# Altium PCB A8_multiple.PcbDoc (part 2 of 10)
Units mm, origin at the board's own origin, x right, y up, seen from the top; angles counter-clockwise.
Board outline 140 x 140 mm, 2 copper layers (Top Layer, Bottom Layer); 80 components, 0 nets, 928 pads, 160 vias.
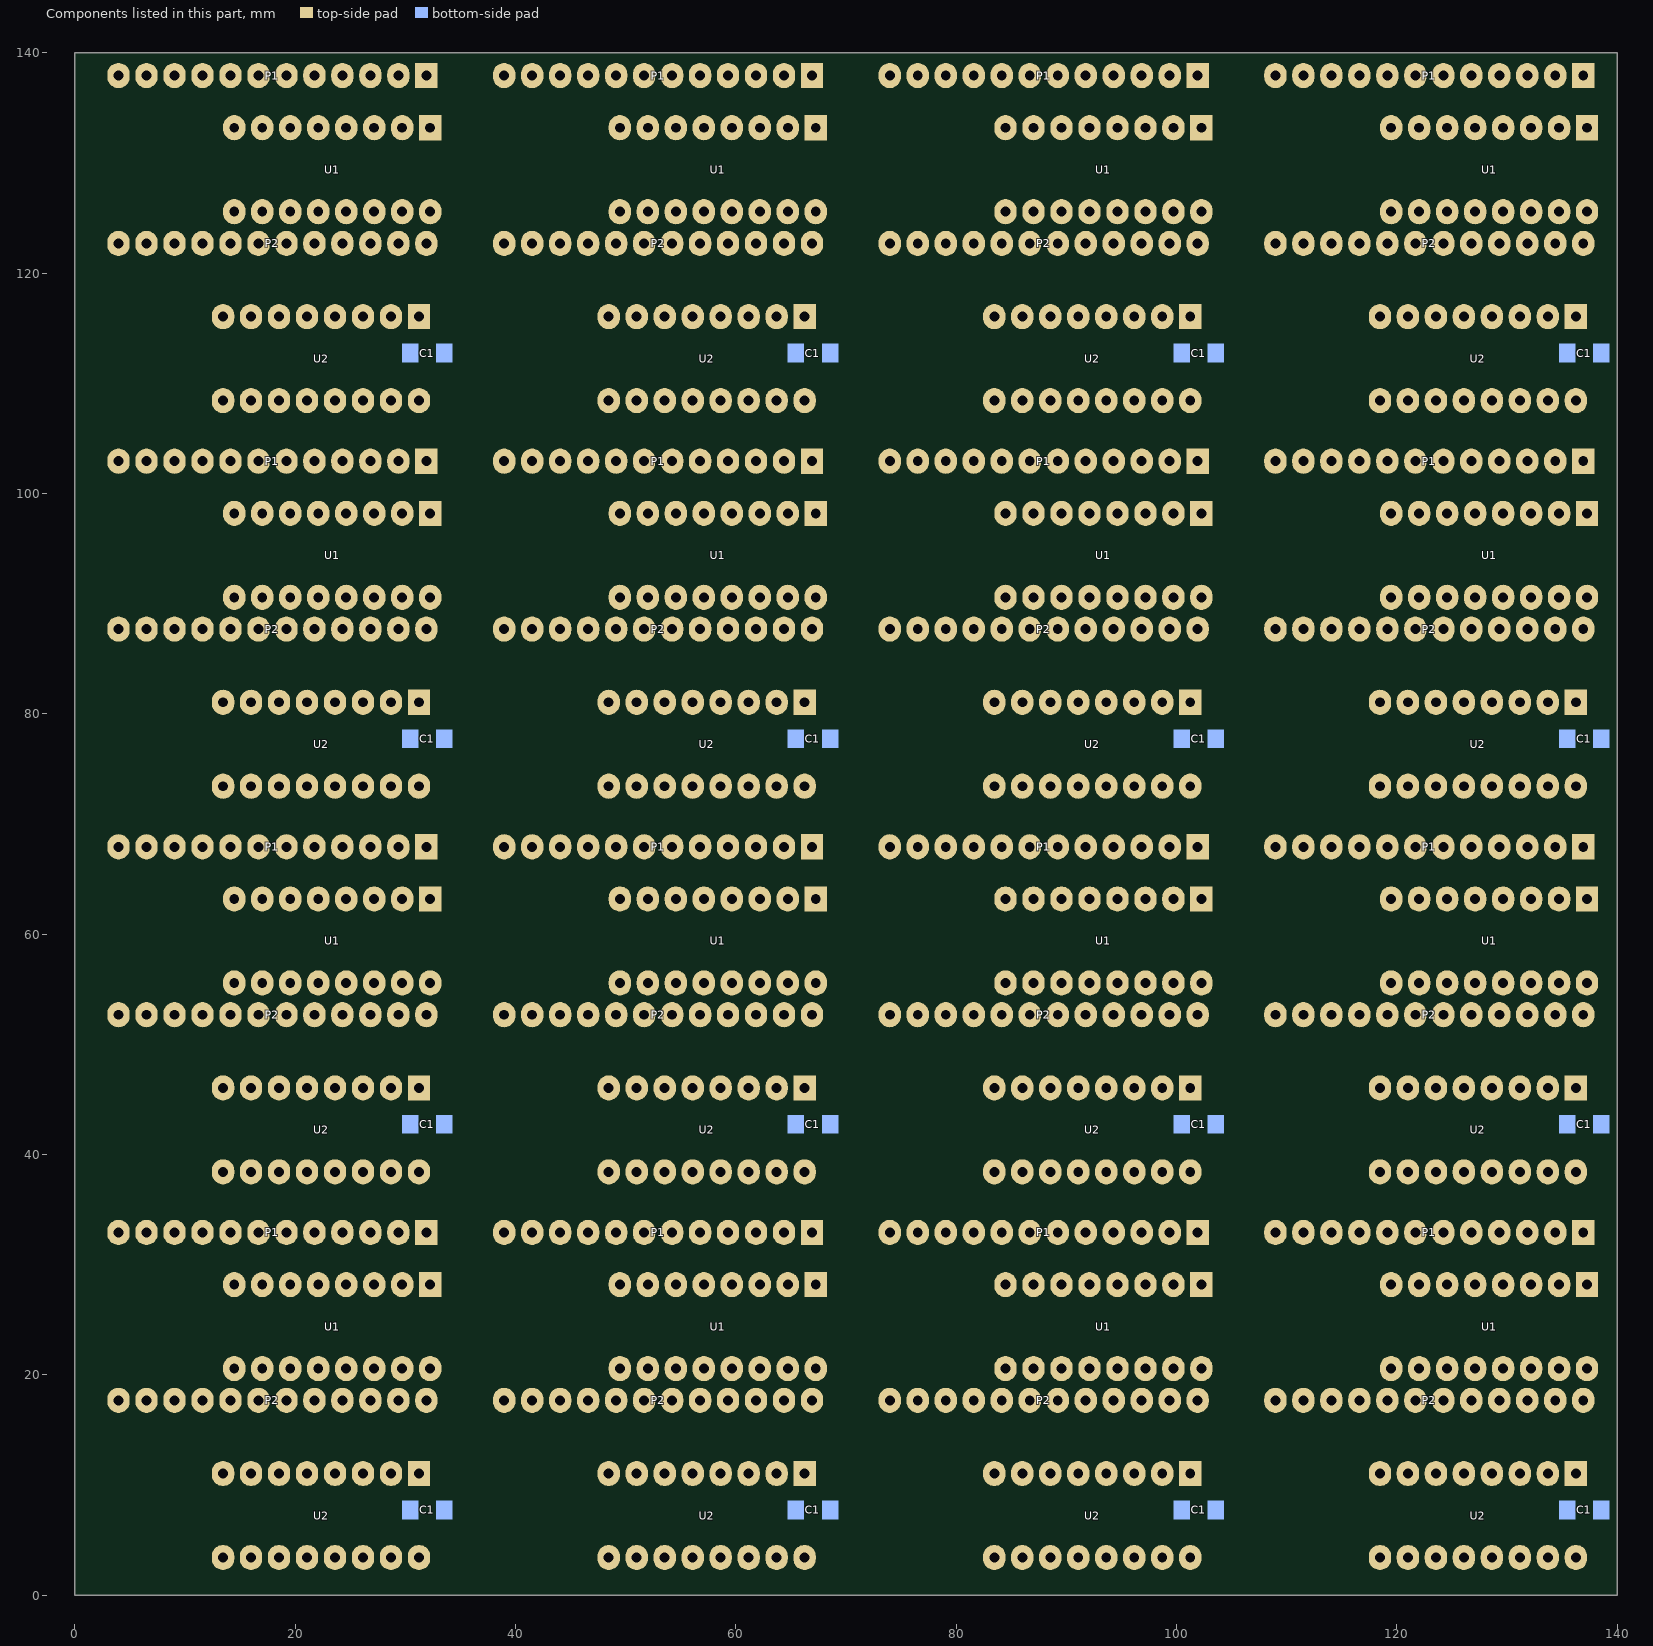
[diagram p2: the components of this part, seen from the top]

## Via types
v1: diameter 2.032, hole 0.711, Top Layer to Bottom Layer, 160 vias

## Nets (pads, with @x,y where several pads share a name; then routed paths per layer and width w, separated by ;. In a path a pad name is that pad's centre, name@x,y a point inside that pad or via, vN(x,y) a via of type N, cw(c..) or ccw(c..) an arc to the next point about the centre after c; other vN are vias at no path point) (continued)
copper on no net: (continued)
  Bottom Layer w0.406: v1@3.362,15.434 ccw(c1.883,16.913) 3.975,16.913 ; v1@3.362,50.434 ccw(c1.883,51.913) 3.975,51.913 ; v1@3.362,85.434 ccw(c1.883,86.913) 3.975,86.913 ; v1@3.362,120.434 ccw(c1.883,121.913) 3.975,121.913 ; 3.4,16.989 cw(c2.013,15.602) 3.975,15.602 cw(c5.937,15.602) 4.55,16.989 ; 3.4,51.989 cw(c2.013,50.602) 3.975,50.602 cw(c5.937,50.602) 4.55,51.989 ; 3.4,86.989 cw(c2.013,85.602) 3.975,85.602 cw(c5.937,85.602) 4.55,86.989 ; 3.4,121.989 cw(c2.013,120.602) 3.975,120.602 cw(c5.937,120.602) 4.55,121.989 ; v1@3.546,15.572 ccw(c3.281,16.057) 3.815,16.2 ccw(c4.768,16.455) v1@4.312,15.58 ; v1@3.546,50.572 ccw(c3.281,51.057) 3.815,51.2 ccw(c4.768,51.455) v1@4.312,50.58 ; v1@3.546,85.572 ccw(c3.281,86.057) 3.815,86.2 ccw(c4.768,86.455) v1@4.312,85.58 ; v1@3.546,120.572 ccw(c3.281,121.057) 3.815,121.2 ccw(c4.768,121.455) v1@4.312,120.58 ; v1@3.569,15.584 ccw(c3.04,16.625) 4.168,16.323 ccw(c4.934,16.117) v1@4.442,15.496 ; v1@3.569,50.584 ccw(c3.04,51.625) 4.168,51.323 ccw(c4.934,51.117) v1@4.442,50.496 ; v1@3.569,85.584 ccw(c3.04,86.625) 4.168,86.323 ccw(c4.934,86.117) v1@4.442,85.496 ; v1@3.569,120.584 ccw(c3.04,121.625) 4.168,121.323 ccw(c4.934,121.117) v1@4.442,120.496 ; v1@3.65,15.146 ccw(c2.864,15.932) 3.975,15.932 ; v1@3.65,50.146 ccw(c2.864,50.932) 3.975,50.932 ; v1@3.65,85.146 ccw(c2.864,85.932) 3.975,85.932 ; v1@3.65,120.146 ccw(c2.864,120.932) 3.975,120.932 ; v1@3.87,27.746 cw(c2.483,26.359) 4.445,26.359 cw(c6.407,26.359) v1@5.02,27.746 ; v1@3.87,62.746 cw(c2.483,61.359) 4.445,61.359 cw(c6.407,61.359) v1@5.02,62.746 ; v1@3.87,97.746 cw(c2.483,96.359) 4.445,96.359 cw(c6.407,96.359) v1@5.02,97.746 ; v1@3.87,132.746 cw(c2.483,131.359) 4.445,131.359 cw(c6.407,131.359) v1@5.02,132.746 ; 3.975,16.73 ccw(c5.808,16.73) v1@4.512,15.434 ; 3.975,17.691 3.975,15.113 3.937,15.113 v1@4.064,14.986 ; 3.975,51.73 ccw(c5.808,51.73) v1@4.512,50.434 ; 3.975,52.691 3.975,50.113 3.937,50.113 v1@4.064,49.986 ; 3.975,86.73 ccw(c5.808,86.73) v1@4.512,85.434 ; 3.975,87.691 3.975,85.113 3.937,85.113 v1@4.064,84.986 ; 3.975,121.73 ccw(c5.808,121.73) v1@4.512,120.434 ; 3.975,122.691 3.975,120.113 3.937,120.113 v1@4.064,119.986 ; v1(4.445,28.321) 4.445,22.86 0.889,19.304 0.889,6.985 6.985,0.889 17.653,0.889 18.542,1.778 ; v1(4.445,63.321) 4.445,57.86 0.889,54.304 0.889,41.985 6.985,35.889 17.653,35.889 18.542,36.778 ; v1(4.445,98.321) 4.445,92.86 0.889,89.304 0.889,76.985 6.985,70.889 17.653,70.889 18.542,71.778 ; v1(4.445,133.321) 4.445,127.86 0.889,124.304 0.889,111.985 6.985,105.889 17.653,105.889 18.542,106.778 ; 5.94,16.989 cw(c4.553,15.602) 6.515,15.602 cw(c8.477,15.602) 7.09,16.989 ; 5.94,32.229 cw(c4.553,30.842) 6.515,30.842 cw(c8.477,30.842) 7.09,32.229 ; 5.94,51.989 cw(c4.553,50.602) 6.515,50.602 cw(c8.477,50.602) 7.09,51.989 ; 5.94,67.229 cw(c4.553,65.842) 6.515,65.842 cw(c8.477,65.842) 7.09,67.229 ; 5.94,86.989 cw(c4.553,85.602) 6.515,85.602 cw(c8.477,85.602) 7.09,86.989 ; 5.94,102.229 cw(c4.553,100.842) 6.515,100.842 cw(c8.477,100.842) 7.09,102.229 ; 5.94,121.989 cw(c4.553,120.602) 6.515,120.602 cw(c8.477,120.602) 7.09,121.989 ; 5.94,137.229 cw(c4.553,135.842) 6.515,135.842 cw(c8.477,135.842) 7.09,137.229 ; 6.092,18.512 ccw(c5.632,19.266) 6.515,19.266 ; 6.092,53.512 ccw(c5.632,54.266) 6.515,54.266 ; 6.092,88.512 ccw(c5.632,89.266) 6.515,89.266 ; 6.092,123.512 ccw(c5.632,124.266) 6.515,124.266 ; 6.515,32.931 6.515,24.892 ; 6.515,67.931 6.515,59.892 ; 6.515,102.931 6.515,94.892 ; 6.515,137.931 6.515,129.892 ; 6.938,18.512 cw(c7.398,19.266) 6.515,19.266 ; 6.938,53.512 cw(c7.398,54.266) 6.515,54.266 ; 6.938,88.512 cw(c7.398,89.266) 6.515,89.266 ; 6.938,123.512 cw(c7.398,124.266) 6.515,124.266 ; v1@7.68,28.896 ccw(c6.293,30.283) 8.255,30.283 ccw(c10.217,30.283) v1@8.83,28.896 ; v1@7.68,63.896 ccw(c6.293,65.283) 8.255,65.283 ccw(c10.217,65.283) v1@8.83,63.896 ; v1@7.68,98.896 ccw(c6.293,100.283) 8.255,100.283 ccw(c10.217,100.283) v1@8.83,98.896 ; v1@7.68,133.896 ccw(c6.293,135.283) 8.255,135.283 ccw(c10.217,135.283) v1@8.83,133.896 ; v1@7.759,27.677 cw(c6.985,26.67) 8.255,26.67 ; v1@7.759,62.677 cw(c6.985,61.67) 8.255,61.67 ; v1@7.759,97.677 cw(c6.985,96.67) 8.255,96.67 ; v1@7.759,132.677 cw(c6.985,131.67) 8.255,131.67 ; 8.653,32.097 cw(c8.261,31.407) 9.055,31.407 ; 8.653,67.097 cw(c8.261,66.407) 9.055,66.407 ; 8.653,102.097 cw(c8.261,101.407) 9.055,101.407 ; 8.653,137.097 cw(c8.261,136.407) 9.055,136.407 ; v1@8.751,27.677 ccw(c9.525,26.67) 8.255,26.67 ; v1@8.751,62.677 ccw(c9.525,61.67) 8.255,61.67 ; v1@8.751,97.677 ccw(c9.525,96.67) 8.255,96.67 ; v1@8.751,132.677 ccw(c9.525,131.67) 8.255,131.67 ; 9.055,32.931 9.055,31.407 ; 9.055,67.931 9.055,66.407 ; 9.055,102.931 9.055,101.407 ; 9.055,137.931 9.055,136.407 ; 9.457,32.097 ccw(c9.849,31.407) 9.055,31.407 ; 9.457,67.097 ccw(c9.849,66.407) 9.055,66.407 ; 9.457,102.097 ccw(c9.849,101.407) 9.055,101.407 ; 9.457,137.097 ccw(c9.849,136.407) 9.055,136.407 ; 10.178,30.692 ccw(c7.476,32.606) 10.783,32.765 ; 10.178,65.692 ccw(c7.476,67.606) 10.783,67.765 ; 10.178,100.692 ccw(c7.476,102.606) 10.783,102.765 ; 10.178,135.692 ccw(c7.476,137.606) 10.783,137.765 ; 10.466,30.913 ccw(c8.714,32.665) 11.189,32.784 ; 10.466,65.913 ccw(c8.714,67.665) 11.189,67.784 ; 10.466,100.913 ccw(c8.714,102.665) 11.189,102.784 ; 10.466,135.913 ccw(c8.714,137.665) 11.189,137.784 ; 11.033,16.977 cw(c9.769,15.659) 11.595,15.659 ; 11.033,51.977 cw(c9.769,50.659) 11.595,50.659 ; 11.033,86.977 cw(c9.769,85.659) 11.595,85.659 ; 11.033,121.977 cw(c9.769,120.659) 11.595,120.659 ; 11.115,31.562 ccw(c9.953,32.725) 11.595,32.804 ; 11.115,66.562 ccw(c9.953,67.725) 11.595,67.804 ; 11.115,101.562 ccw(c9.953,102.725) 11.595,102.804 ; 11.115,136.562 ccw(c9.953,137.725) 11.595,137.804 ; 11.595,17.691 11.595,15.659 ; 11.595,32.931 11.595,32.042 10.135,30.582 10.135,26.187 12.319,24.003 20.955,24.003 22.098,22.86 22.098,20.574 ; 11.595,52.691 11.595,50.659 ; 11.595,67.931 11.595,67.042 10.135,65.582 10.135,61.187 12.319,59.003 20.955,59.003 22.098,57.86 22.098,55.574 ; 11.595,87.691 11.595,85.659 ; 11.595,102.931 11.595,102.042 10.135,100.582 10.135,96.187 12.319,94.003 20.955,94.003 22.098,92.86 22.098,90.574 ; 11.595,122.691 11.595,120.659 ; 11.595,137.931 11.595,137.042 10.135,135.582 10.135,131.187 12.319,129.003 20.955,129.003 22.098,127.86 22.098,125.574 ; 12.157,16.977 ccw(c13.421,15.659) 11.595,15.659 ; 12.157,51.977 ccw(c13.421,50.659) 11.595,50.659 ; 12.157,86.977 ccw(c13.421,85.659) 11.595,85.659 ; 12.157,121.977 ccw(c13.421,120.659) 11.595,120.659 ; 12.658,31.2 ccw(c11.053,32.804) 13.322,32.804 ; 12.658,66.2 ccw(c11.053,67.804) 13.322,67.804 ; 12.658,101.2 ccw(c11.053,102.804) 13.322,102.804 ; 12.658,136.2 ccw(c11.053,137.804) 13.322,137.804 ; 12.847,2.897 ccw(c11.684,1.891) 11.684,3.429 ; 12.847,3.961 cw(c11.684,4.967) 11.684,3.429 ; 12.847,37.897 ccw(c11.684,36.891) 11.684,38.429 ; 12.847,38.961 cw(c11.684,39.967) 11.684,38.429 ; 12.847,72.897 ccw(c11.684,71.891) 11.684,73.429 ; 12.847,73.961 cw(c11.684,74.967) 11.684,73.429 ; 12.847,107.897 ccw(c11.684,106.891) 11.684,108.429 ; 12.847,108.961 cw(c11.684,109.967) 11.684,108.429 ; 12.964,31.506 cw(c14.135,30.336) 14.135,31.991 ; 12.964,66.506 cw(c14.135,65.336) 14.135,66.991 ; 12.964,101.506 cw(c14.135,100.336) 14.135,101.991 ; 12.964,136.506 cw(c14.135,135.336) 14.135,136.991 ; 13.351,31.893 ccw(c12.441,32.804) 13.729,32.804 ; 13.351,66.893 ccw(c12.441,67.804) 13.729,67.804 ; 13.351,101.893 ccw(c12.441,102.804) 13.729,102.804 ; 13.351,136.893 ccw(c12.441,137.804) 13.729,137.804 ; 13.462,3.429 11.684,3.429 ; 13.462,38.429 11.684,38.429 ; 13.462,73.429 11.684,73.429 ; 13.462,108.429 11.684,108.429 ; 13.467,17.1 cw(c12.516,16.44) 13.335,15.621 ; 13.467,52.1 cw(c12.516,51.44) 13.335,50.621 ; 13.467,87.1 cw(c12.516,86.44) 13.335,85.621 ; 13.467,122.1 cw(c12.516,121.44) 13.335,120.621 ; 13.679,15.965 ccw(c12.922,16.722) 13.801,17.332 ; 13.679,50.965 ccw(c12.922,51.722) 13.801,52.332 ; 13.679,85.965 ccw(c12.922,86.722) 13.801,87.332 ; 13.679,120.965 ccw(c12.922,121.722) 13.801,122.332 ; 13.868,16.796 cw(c13.738,16.421) 14.135,16.421 ; 13.868,51.796 cw(c13.738,51.421) 14.135,51.421 ; 13.868,86.796 cw(c13.738,86.421) 14.135,86.421 ; 13.868,121.796 cw(c13.738,121.421) 14.135,121.421 ; 14.023,16.309 ccw(c13.328,17.004) 14.135,17.564 ; 14.023,51.309 ccw(c13.328,52.004) 14.135,52.564 ; 14.023,86.309 ccw(c13.328,87.004) 14.135,87.564 ; 14.023,121.309 ccw(c13.328,122.004) 14.135,122.564 ; 14.135,17.691 14.135,16.421 ; 14.135,32.931 14.135,32.677 11.049,29.591 11.049,26.351 12.635,24.765 22.987,24.765 24.638,23.114 24.638,20.574 ; 14.135,52.691 14.135,51.421 ; 14.135,67.931 14.135,67.677 11.049,64.591 11.049,61.351 12.635,59.765 22.987,59.765 24.638,58.114 24.638,55.574 ; 14.135,87.691 14.135,86.421 ; 14.135,102.931 14.135,102.677 11.049,99.591 11.049,96.351 12.635,94.765 22.987,94.765 24.638,93.114 24.638,90.574 ; 14.135,122.691 14.135,121.421 ; 14.135,137.931 14.135,137.677 11.049,134.591 11.049,131.351 12.635,129.765 22.987,129.765 24.638,128.114 24.638,125.574 ; 14.402,16.796 ccw(c14.532,16.421) 14.135,16.421 ; 14.402,51.796 ccw(c14.532,51.421) 14.135,51.421 ; 14.402,86.796 ccw(c14.532,86.421) 14.135,86.421 ; 14.402,121.796 ccw(c14.532,121.421) 14.135,121.421 ; 14.478,20.574 13.462,21.59 10.16,21.59 8.865,22.885 6.883,22.885 5.969,21.971 5.969,19.812 6.515,19.266 ; 14.478,55.574 13.462,56.59 10.16,56.59 8.865,57.885 6.883,57.885 5.969,56.971 5.969,54.812 6.515,54.266 ; 14.478,90.574 13.462,91.59 10.16,91.59 8.865,92.885 6.883,92.885 5.969,91.971 5.969,89.812 6.515,89.266 ; 14.478,125.574 13.462,126.59 10.16,126.59 8.865,127.885 6.883,127.885 5.969,126.971 5.969,124.812 6.515,124.266 ; 15.339,2.831 cw(c14.591,2.3) 15.24,1.651 ; 15.339,37.831 cw(c14.591,37.3) 15.24,36.651 ; 15.339,72.831 cw(c14.591,72.3) 15.24,71.651 ; 15.339,107.831 cw(c14.591,107.3) 15.24,106.651 ; 15.58,1.991 ccw(c14.989,2.582) 15.671,3.067 ; 15.58,36.991 ccw(c14.989,37.582) 15.671,38.067 ; 15.58,71.991 ccw(c14.989,72.582) 15.671,73.067 ; 15.58,106.991 ccw(c14.989,107.582) 15.671,108.067 ; 16.002,3.429 16.002,2.413 15.24,1.651 ; 16.002,38.429 16.002,37.413 15.24,36.651 ; 16.002,73.429 16.002,72.413 15.24,71.651 ; 16.002,108.429 16.002,107.413 15.24,106.651 ; 16.055,32.278 cw(c15.328,31.662) 16.002,30.988 ; 16.055,67.278 cw(c15.328,66.662) 16.002,65.988 ; 16.055,102.278 cw(c15.328,101.662) 16.002,100.988 ; 16.055,137.278 cw(c15.328,136.662) 16.002,135.988 ; 16.314,31.3 ccw(c15.666,31.948) 16.365,32.541 ; 16.314,66.3 ccw(c15.666,66.948) 16.365,67.541 ; 16.314,101.3 ccw(c15.666,101.948) 16.365,102.541 ; 16.314,136.3 ccw(c15.666,136.948) 16.365,137.541 ; 16.335,16.826 cw(c16.089,16.294) 16.675,16.294 ; 16.335,51.826 cw(c16.089,51.294) 16.675,51.294 ; 16.335,86.826 cw(c16.089,86.294) 16.675,86.294 ; 16.335,121.826 cw(c16.089,121.294) 16.675,121.294 ; 16.408,32.036 cw(c16.278,31.661) 16.675,31.661 ; 16.408,67.036 cw(c16.278,66.661) 16.675,66.661 ; 16.408,102.036 cw(c16.278,101.661) 16.675,101.661 ; 16.408,137.036 cw(c16.278,136.661) 16.675,136.661 ; 16.626,31.612 ccw(c16.003,32.235) 16.675,32.804 ; 16.626,66.612 ccw(c16.003,67.235) 16.675,67.804 ; 16.626,101.612 ccw(c16.003,102.235) 16.675,102.804 ; 16.626,136.612 ccw(c16.003,137.235) 16.675,137.804 ; 16.675,17.691 16.675,16.294 ; 16.675,32.931 16.675,31.661 ; 16.675,52.691 16.675,51.294 ; 16.675,67.931 16.675,66.661 ; 16.675,87.691 16.675,86.294 ; 16.675,102.931 16.675,101.661 ; 16.675,122.691 16.675,121.294 ; 16.675,137.931 16.675,136.661 ; 16.678,21.439 ccw(c16.432,21.971) 17.018,21.971 ; 16.678,56.439 ccw(c16.432,56.971) 17.018,56.971 ; 16.678,91.439 ccw(c16.432,91.971) 17.018,91.971 ; 16.678,126.439 ccw(c16.432,126.971) 17.018,126.971 ; 16.942,32.036 ccw(c17.072,31.661) 16.675,31.661 ; 16.942,67.036 ccw(c17.072,66.661) 16.675,66.661 ; 16.942,102.036 ccw(c17.072,101.661) 16.675,101.661 ; 16.942,137.036 ccw(c17.072,136.661) 16.675,136.661 ; 17.015,16.826 ccw(c17.261,16.294) 16.675,16.294 ; 17.015,51.826 ccw(c17.261,51.294) 16.675,51.294 ; 17.015,86.826 ccw(c17.261,86.294) 16.675,86.294 ; 17.015,121.826 ccw(c17.261,121.294) 16.675,121.294 ; 17.018,20.574 17.018,21.971 ; 17.018,55.574 17.018,56.971 ; 17.018,90.574 17.018,91.971 ; 17.018,125.574 17.018,126.971 ; 17.358,21.439 cw(c17.604,21.971) 17.018,21.971 ; 17.358,56.439 cw(c17.604,56.971) 17.018,56.971 ; 17.358,91.439 cw(c17.604,91.971) 17.018,91.971 ; 17.358,126.439 cw(c17.604,126.971) 17.018,126.971 ; 17.558,30.766 ccw(c15.52,32.804) 18.402,32.804 ; 17.558,65.766 ccw(c15.52,67.804) 18.402,67.804 ; 17.558,100.766 ccw(c15.52,102.804) 18.402,102.804 ; 17.558,135.766 ccw(c15.52,137.804) 18.402,137.804 ; 18.089,2.627 cw(c17.52,1.778) 18.542,1.778 ; 18.089,37.627 cw(c17.52,36.778) 18.542,36.778 ; 18.089,72.627 cw(c17.52,71.778) 18.542,71.778 ; 18.089,107.627 cw(c17.52,106.778) 18.542,106.778 ; 18.252,31.46 ccw(c16.908,32.804) 18.809,32.804 ; 18.252,66.46 ccw(c16.908,67.804) 18.809,67.804 ; 18.252,101.46 ccw(c16.908,102.804) 18.809,102.804 ; 18.252,136.46 ccw(c16.908,137.804) 18.809,137.804 ; 18.478,31.686 cw(c19.215,30.949) 19.215,31.991 ; 18.478,66.686 cw(c19.215,65.949) 19.215,66.991 ; 18.478,101.686 cw(c19.215,100.949) 19.215,101.991 ; 18.478,136.686 cw(c19.215,135.949) 19.215,136.991 ; 18.542,3.429 18.542,1.778 ; 18.542,38.429 18.542,36.778 ; 18.542,73.429 18.542,71.778 ; 18.542,108.429 18.542,106.778 ; 18.925,16.805 cw(c18.763,16.383) 19.215,16.383 ; 18.925,51.805 cw(c18.763,51.383) 19.215,51.383 ; 18.925,86.805 cw(c18.763,86.383) 19.215,86.383 ; 18.925,121.805 cw(c18.763,121.383) 19.215,121.383 ; 18.995,2.627 ccw(c19.564,1.778) 18.542,1.778 ; 18.995,37.627 ccw(c19.564,36.778) 18.542,36.778 ; 18.995,72.627 ccw(c19.564,71.778) 18.542,71.778 ; 18.995,107.627 ccw(c19.564,106.778) 18.542,106.778 ; 19.156,21.408 ccw(c18.764,22.098) 19.558,22.098 ; 19.156,56.408 ccw(c18.764,57.098) 19.558,57.098 ; 19.156,91.408 ccw(c18.764,92.098) 19.558,92.098 ; 19.156,126.408 ccw(c18.764,127.098) 19.558,127.098 ; 19.215,17.691 19.215,16.383 ; 19.215,32.931 19.215,32.423 17.018,30.226 13.843,30.226 12.573,28.956 12.573,27.113 13.397,26.289 25.527,26.289 29.718,22.098 ; 19.215,52.691 19.215,51.383 ; 19.215,67.931 19.215,67.423 17.018,65.226 13.843,65.226 12.573,63.956 12.573,62.113 13.397,61.289 25.527,61.289 29.718,57.098 ; 19.215,87.691 19.215,86.383 ; 19.215,102.931 19.215,102.423 17.018,100.226 13.843,100.226 12.573,98.956 12.573,97.113 13.397,96.289 25.527,96.289 29.718,92.098 ; 19.215,122.691 19.215,121.383 ; 19.215,137.931 19.215,137.423 17.018,135.226 13.843,135.226 12.573,133.956 12.573,132.113 13.397,131.289 25.527,131.289 29.718,127.098 ; 19.505,16.805 ccw(c19.667,16.383) 19.215,16.383 ; 19.505,51.805 ccw(c19.667,51.383) 19.215,51.383 ; 19.505,86.805 ccw(c19.667,86.383) 19.215,86.383 ; 19.505,121.805 ccw(c19.667,121.383) 19.215,121.383 ; 19.558,20.574 19.558,22.098 ; 19.558,55.574 19.558,57.098 ; 19.558,90.574 19.558,92.098 ; 19.558,125.574 19.558,127.098 ; 19.96,21.408 cw(c20.352,22.098) 19.558,22.098 ; 19.96,56.408 cw(c20.352,57.098) 19.558,57.098 ; 19.96,91.408 cw(c20.352,92.098) 19.558,92.098 ; 19.96,126.408 cw(c20.352,127.098) 19.558,127.098 ; 20.507,11.751 ccw(c17.893,14.365) 21.59,14.365 ; 20.507,46.751 ccw(c17.893,49.365) 21.59,49.365 ; 20.507,81.751 ccw(c17.893,84.365) 21.59,84.365 ; 20.507,116.751 ccw(c17.893,119.365) 21.59,119.365 ; 20.742,4.294 ccw(c20.496,4.826) 21.082,4.826 ; 20.742,39.294 ccw(c20.496,39.826) 21.082,39.826 ; 20.742,74.294 ccw(c20.496,74.826) 21.082,74.826 ; 20.742,109.294 ccw(c20.496,109.826) 21.082,109.826 ; 20.795,11.463 ccw(c18.874,13.384) 21.59,13.384 ; 20.795,46.463 ccw(c18.874,48.384) 21.59,48.384 ; 20.795,81.463 ccw(c18.874,83.384) 21.59,83.384 ; 20.795,116.463 ccw(c18.874,118.384) 21.59,118.384 ; 21.082,3.429 21.082,4.826 ; 21.082,11.049 21.59,11.557 21.59,17.526 21.755,17.691 ; 21.082,11.176 ccw(c19.856,12.402) 21.59,12.402 ; 21.082,38.429 21.082,39.826 ; 21.082,46.049 21.59,46.557 21.59,52.526 21.755,52.691 ; 21.082,46.176 ccw(c19.856,47.402) 21.59,47.402 ; 21.082,73.429 21.082,74.826 ; 21.082,81.049 21.59,81.557 21.59,87.526 21.755,87.691 ; 21.082,81.176 ccw(c19.856,82.402) 21.59,82.402 ; 21.082,108.429 21.082,109.826 ; 21.082,116.049 21.59,116.557 21.59,122.526 21.755,122.691 ; 21.082,116.176 ccw(c19.856,117.402) 21.59,117.402 ; 21.18,16.989 cw(c20.191,16) 21.59,16 ; 21.18,51.989 cw(c20.191,51) 21.59,51 ; 21.18,86.989 cw(c20.191,86) 21.59,86 ; 21.18,121.989 cw(c20.191,121) 21.59,121 ; 21.422,4.294 cw(c21.668,4.826) 21.082,4.826 ; 21.422,39.294 cw(c21.668,39.826) 21.082,39.826 ; 21.422,74.294 cw(c21.668,74.826) 21.082,74.826 ; 21.422,109.294 cw(c21.668,109.826) 21.082,109.826 ; 21.523,21.276 ccw(c20.136,22.663) 22.098,22.663 ccw(c24.06,22.663) 22.673,21.276 ; 21.523,56.276 ccw(c20.136,57.663) 22.098,57.663 ccw(c24.06,57.663) 22.673,56.276 ; 21.523,91.276 ccw(c20.136,92.663) 22.098,92.663 ccw(c24.06,92.663) 22.673,91.276 ; 21.523,126.276 ccw(c20.136,127.663) 22.098,127.663 ccw(c24.06,127.663) 22.673,126.276 ; 21.59,15.203 cw(c24.116,15.203) 22.33,16.989 ; 21.59,16.185 cw(c23.134,16.185) 22.042,17.277 ; 21.59,50.203 cw(c24.116,50.203) 22.33,51.989 ; 21.59,51.185 cw(c23.134,51.185) 22.042,52.277 ; 21.59,85.203 cw(c24.116,85.203) 22.33,86.989 ; 21.59,86.185 cw(c23.134,86.185) 22.042,87.277 ; 21.59,120.203 cw(c24.116,120.203) 22.33,121.989 ; 21.59,121.185 cw(c23.135,121.185) 22.042,122.277 ; 23.047,11.751 ccw(c21.66,13.138) 23.622,13.138 ccw(c25.584,13.138) 24.197,11.751 ; 23.047,46.751 ccw(c21.66,48.138) 23.622,48.138 ccw(c25.584,48.138) 24.197,46.751 ; 23.047,81.751 ccw(c21.66,83.138) 23.622,83.138 ccw(c25.584,83.138) 24.197,81.751 ; 23.047,116.751 ccw(c21.66,118.138) 23.622,118.138 ccw(c25.584,118.138) 24.197,116.751 ; 23.126,4.2 ccw(c22.352,5.207) 23.622,5.207 ; 23.126,39.2 ccw(c22.352,40.207) 23.622,40.207 ; 23.126,74.2 ccw(c22.352,75.207) 23.622,75.207 ; 23.126,109.2 ccw(c22.352,110.207) 23.622,110.207 ; 23.622,3.429 23.622,5.207 ; 23.622,11.049 23.622,15.367 24.295,16.04 ; 23.622,38.429 23.622,40.207 ; 23.622,46.049 23.622,50.367 24.295,51.04 ; 23.622,73.429 23.622,75.207 ; 23.622,81.049 23.622,85.367 24.295,86.04 ; 23.622,108.429 23.622,110.207 ; 23.622,116.049 23.622,120.367 24.295,121.04 ; 23.842,16.889 cw(c23.273,16.04) 24.295,16.04 ; 23.842,51.889 cw(c23.273,51.04) 24.295,51.04 ; 23.842,86.889 cw(c23.273,86.04) 24.295,86.04 ; 23.842,121.889 cw(c23.273,121.04) 24.295,121.04 ; 24.063,21.276 ccw(c22.676,22.663) 24.638,22.663 ccw(c26.6,22.663) 25.213,21.276 ; 24.063,56.276 ccw(c22.676,57.663) 24.638,57.663 ccw(c26.6,57.663) 25.213,56.276 ; 24.063,91.276 ccw(c22.676,92.663) 24.638,92.663 ccw(c26.6,92.663) 25.213,91.276 ; 24.063,126.276 ccw(c22.676,127.663) 24.638,127.663 ccw(c26.6,127.663) 25.213,126.276 ; 24.118,4.2 cw(c24.892,5.207) 23.622,5.207 ; 24.118,39.2 cw(c24.892,40.207) 23.622,40.207 ; 24.118,74.2 cw(c24.892,75.207) 23.622,75.207 ; 24.118,109.2 cw(c24.892,110.207) 23.622,110.207 ; 24.295,17.691 24.295,16.04 ; 24.295,52.691 24.295,51.04 ; 24.295,87.691 24.295,86.04 ; 24.295,122.691 24.295,121.04 ; 24.748,16.889 ccw(c25.317,16.04) 24.295,16.04 ; 24.748,51.889 ccw(c25.317,51.04) 24.295,51.04 ; 24.748,86.889 ccw(c25.317,86.04) 24.295,86.04 ; 24.748,121.889 ccw(c25.317,121.04) 24.295,121.04 ; v1@25.079,14.284 cw(c22.465,11.67) 26.162,11.67 ; v1@25.079,49.284 cw(c22.465,46.67) 26.162,46.67 ; v1@25.079,84.284 cw(c22.465,81.67) 26.162,81.67 ; v1@25.079,119.284 cw(c22.465,116.67) 26.162,116.67 ; v1@25.367,14.572 cw(c23.446,12.651) 26.162,12.651 ; v1@25.367,49.572 cw(c23.446,47.651) 26.162,47.651 ; v1@25.367,84.572 cw(c23.446,82.651) 26.162,82.651 ; v1@25.367,119.572 cw(c23.446,117.651) 26.162,117.651 ; 25.587,11.751 ccw(c24.2,13.138) 26.162,13.138 ccw(c28.124,13.138) 26.737,11.751 ; 25.587,46.751 ccw(c24.2,48.138) 26.162,48.138 ccw(c28.124,48.138) 26.737,46.751 ; 25.587,81.751 ccw(c24.2,83.138) 26.162,83.138 ccw(c28.124,83.138) 26.737,81.751 ; 25.587,116.751 ccw(c24.2,118.138) 26.162,118.138 ccw(c28.124,118.138) 26.737,116.751 ; 25.63,4.171 ccw(c24.624,5.334) 26.162,5.334 ; 25.63,39.171 ccw(c24.624,40.334) 26.162,40.334 ; 25.63,74.171 ccw(c24.624,75.334) 26.162,75.334